# Altium PCB high-spped-thermocouple-logger.PcbDoc (part 3 of 3)
Units mm, origin at the board's own origin, x right, y up, seen from the top; angles counter-clockwise.
Board outline 200 x 200 mm, 4 copper layers (Top Layer, GND Layer, VCC Layer, Bottom Layer), stack 1.55 mm thick; 351 components, 201 nets, 1016 pads, 288 vias.
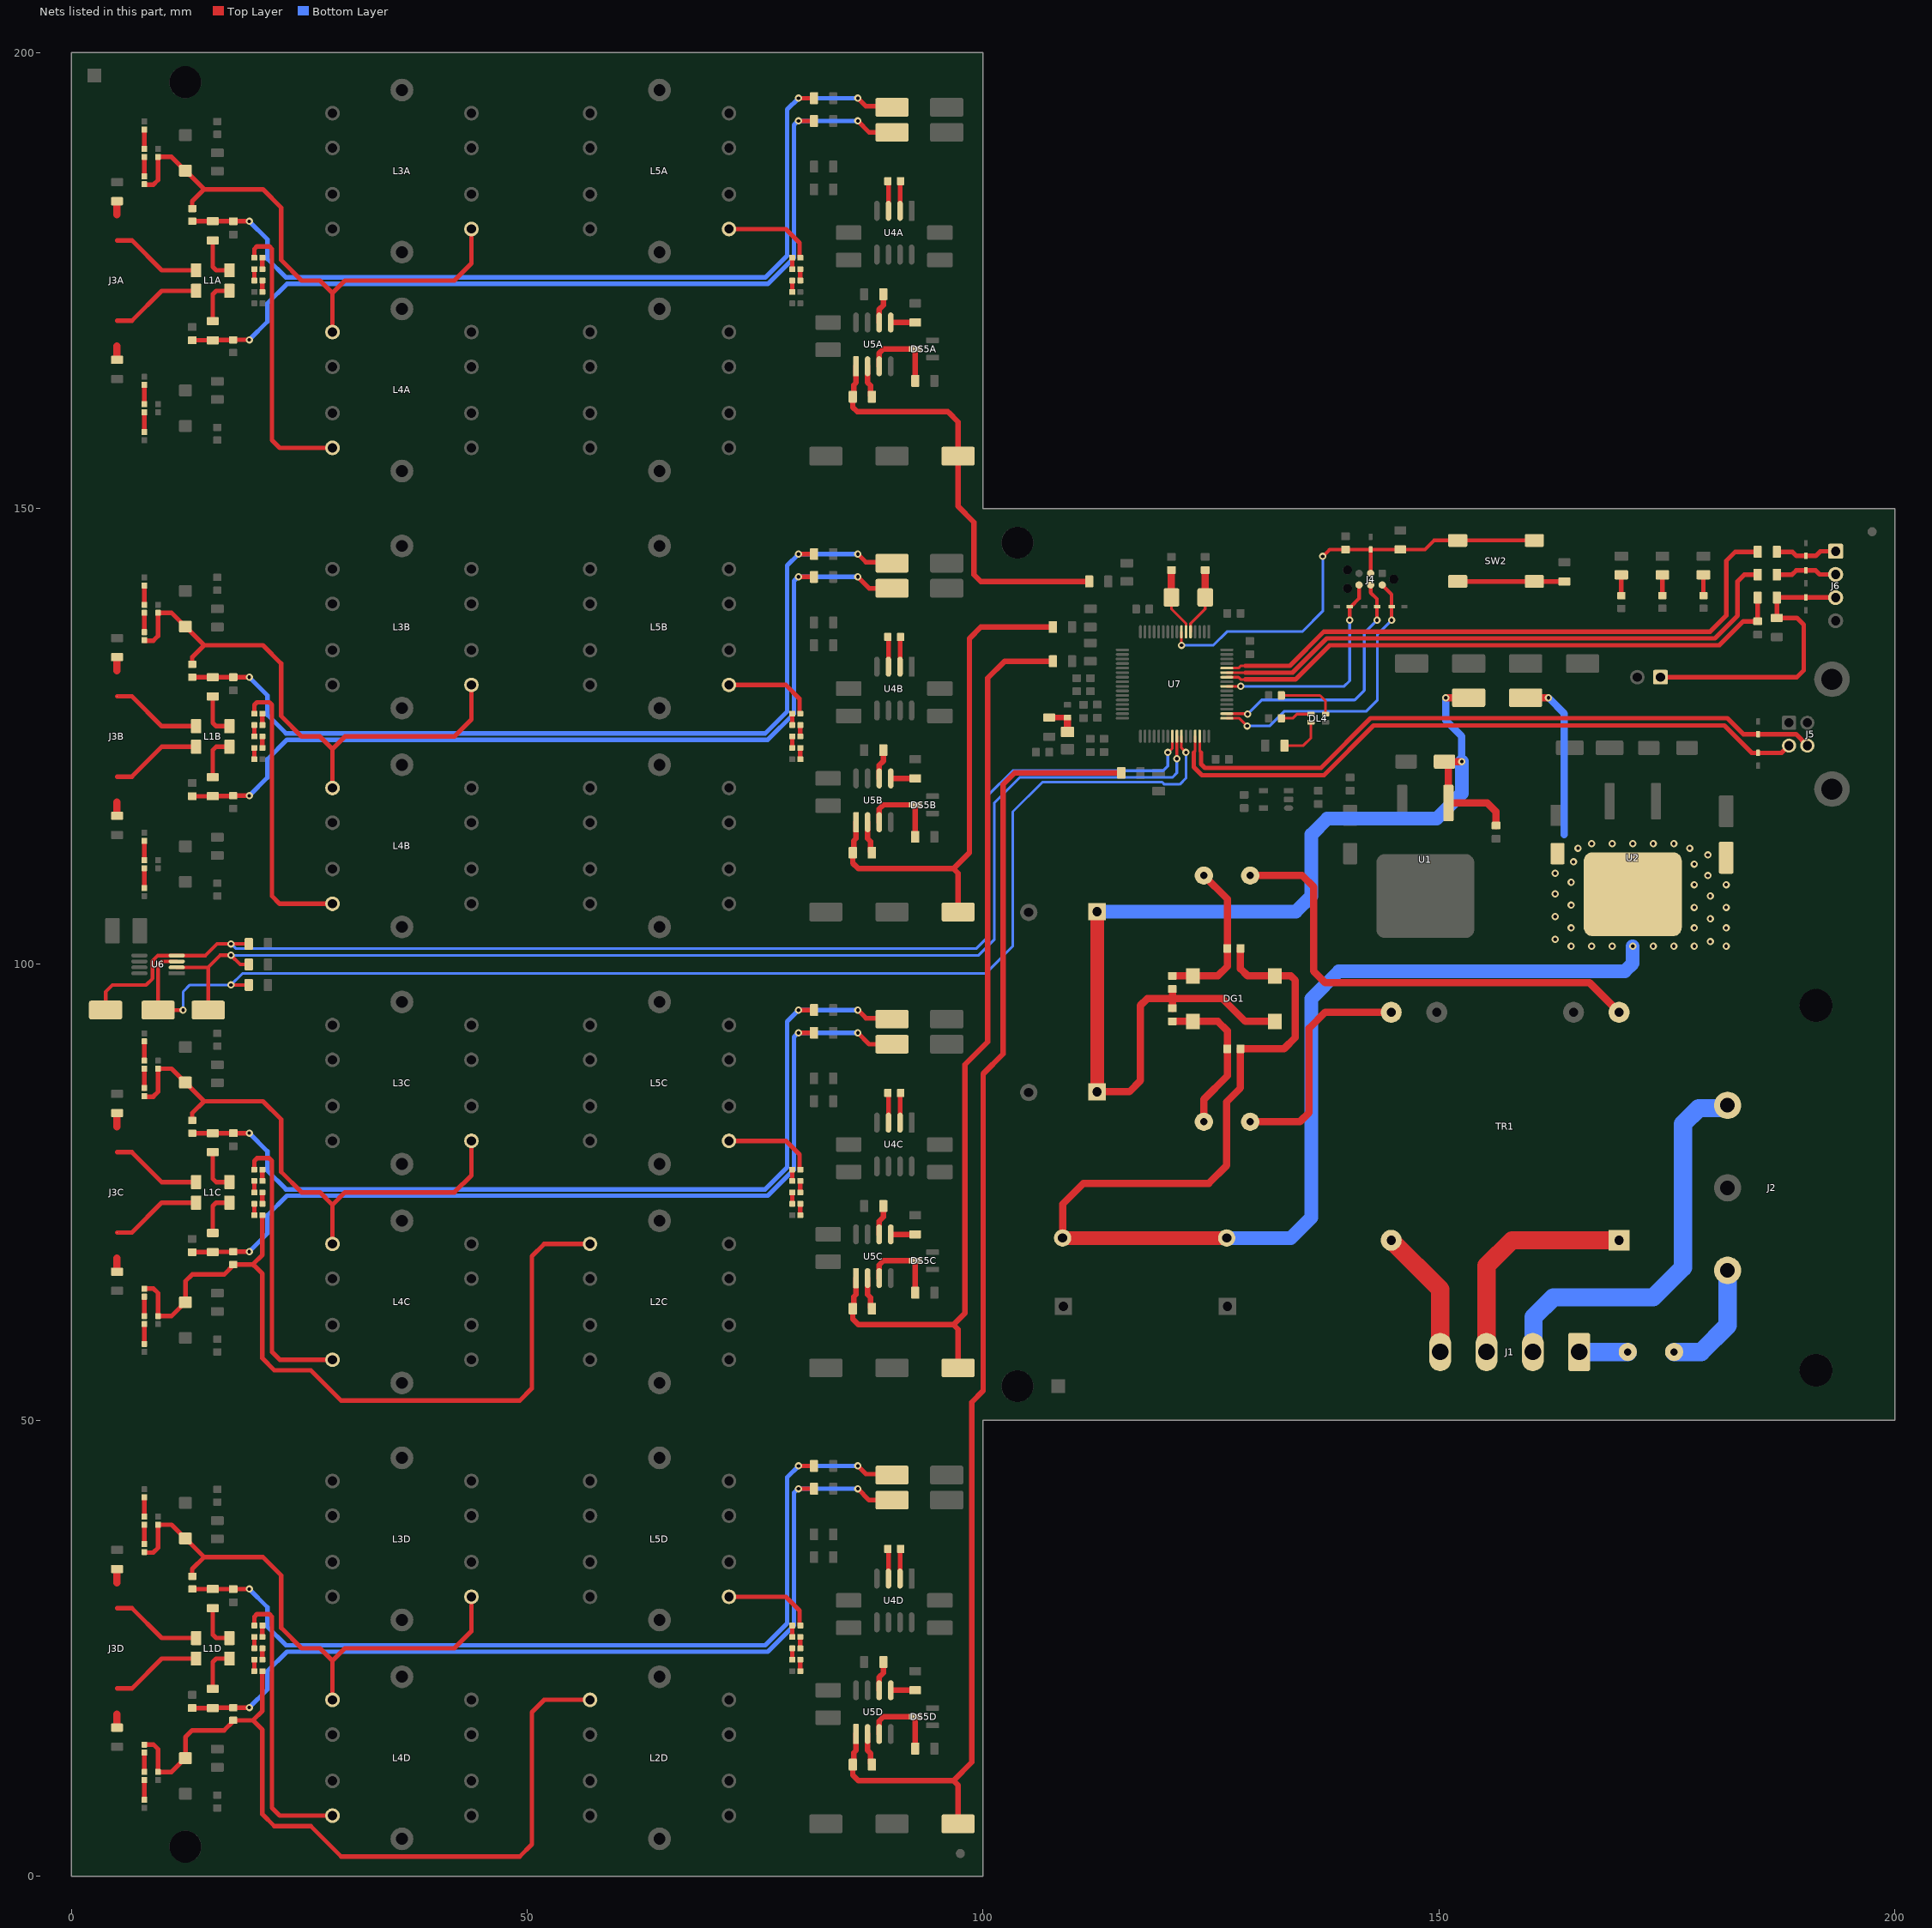
[diagram p5: the nets of this part, all layers, seen from the top]

## Via types
v1: diameter 0.8, hole 0.4, Top Layer to Bottom Layer, 261 vias
v2: diameter 1.1, hole 0.7, Top Layer to Bottom Layer, 27 vias

## Nets (pads, with @x,y where several pads share a name; then routed paths per layer and width w, separated by ;. In a path a pad name is that pad's centre, name@x,y a point inside that pad or via, vN(x,y) a via of type N, cw(c..) or ccw(c..) an arc to the next point about the centre after c; other vN are vias at no path point) (continued)
NetCK32C_2: CK32C.2 CK33C.1 | length 1.3
  Top Layer w0.5: CK32C.2@20.06,122.5 CK33C.1@20.06,123.75
NetCK32D_2: CK32D.2 CK33D.1 | length 1.3
  Top Layer w0.5: CK32D.2@79.94,122.5 CK33D.1@79.94,123.75
NetCK32E_1: CK32E.1 CK37E.1 CK39E.1 CVAR1E.1 L2C.1 R10C.2 | length 88.4
  Top Layer w0.5: CK37E.1@8,64.44 9.01,64.44 9.5,63.95 CK39E.1@9.5,61.44 10.99,61.44 CVAR1E.1@12.5,62.95 12.5,65.25 13.25,66 16.75,66 17.75,67 R10C.2@17.75,67.1 19.9,67.1 ; CK32E.1@20.94,72.5 20.94,68.14 19.9,67.1 ; L2C.1@56.88,69.35 51.85,69.35 50.5,68 50.5,53.5 49.162,52.162 29.588,52.162 26.25,55.5 22.25,55.5 20.94,56.81 20.94,66.06 20,67 19.9,67.1
NetCK32E_2: CK32E.2 CK33E.1 | length 1.3
  Top Layer w0.5: CK32E.2@20.06,72.5 CK33E.1@20.06,73.75
NetCK32F_2: CK32F.2 CK33F.1 | length 1.3
  Top Layer w0.5: CK32F.2@79.94,72.5 CK33F.1@79.94,73.75
NetCK32G_1: CK32G.1 CK37G.1 CK39G.1 CVAR1G.1 L2D.1 R10D.2 | length 88.4
  Top Layer w0.5: CK37G.1@8,14.44 9.01,14.44 9.5,13.95 CK39G.1@9.5,11.44 10.99,11.44 CVAR1G.1@12.5,12.95 12.5,15.25 13.25,16 16.75,16 17.75,17 R10D.2@17.75,17.1 19.9,17.1 ; CK32G.1@20.94,22.5 20.94,18.14 19.9,17.1 ; L2D.1@56.88,19.35 51.85,19.35 50.5,18 50.5,3.5 49.162,2.162 29.588,2.162 26.25,5.5 22.25,5.5 20.94,6.81 20.94,16.06 20,17 19.9,17.1
NetCK32G_2: CK32G.2 CK33G.1 | length 1.3
  Top Layer w0.5: CK32G.2@20.06,22.5 CK33G.1@20.06,23.75
NetCK32H_2: CK32H.2 CK33H.1 | length 1.3
  Top Layer w0.5: CK32H.2@79.94,22.5 CK33H.1@79.94,23.75
NetCK33A_2: CK33A.2 CK34A.1 | length 1.3
  Top Layer w0.5: CK33A.2@20.94,173.75 CK34A.1@20.94,175
NetCK33B_2: CK33B.2 CK34B.1 | length 1.3
  Top Layer w0.5: CK33B.2@79.06,173.75 CK34B.1@79.06,175
NetCK33C_2: CK33C.2 CK34C.1 | length 1.3
  Top Layer w0.5: CK33C.2@20.94,123.75 CK34C.1@20.94,125
NetCK33D_2: CK33D.2 CK34D.1 | length 1.3
  Top Layer w0.5: CK33D.2@79.06,123.75 CK34D.1@79.06,125
NetCK33E_2: CK33E.2 CK34E.1 | length 1.3
  Top Layer w0.5: CK33E.2@20.94,73.75 CK34E.1@20.94,75
NetCK33F_2: CK33F.2 CK34F.1 | length 1.3
  Top Layer w0.5: CK33F.2@79.06,73.75 CK34F.1@79.06,75
NetCK33G_2: CK33G.2 CK34G.1 | length 1.3
  Top Layer w0.5: CK33G.2@20.94,23.75 CK34G.1@20.94,25
NetCK33H_2: CK33H.2 CK34H.1 | length 1.3
  Top Layer w0.5: CK33H.2@79.06,23.75 CK34H.1@79.06,25
NetCK34A_2: CK34A.2 CK35A.1 | length 1.3
  Top Layer w0.5: CK34A.2@20.06,175 CK35A.1@20.06,176.25
NetCK34B_2: CK34B.2 CK35B.1 | length 1.2
  Top Layer w0.5: CK34B.2@79.94,175 CK35B.1@79.94,176.25
NetCK34C_2: CK34C.2 CK35C.1 | length 1.3
  Top Layer w0.5: CK34C.2@20.06,125 CK35C.1@20.06,126.25
NetCK34D_2: CK34D.2 CK35D.1 | length 1.2
  Top Layer w0.5: CK34D.2@79.94,125 CK35D.1@79.94,126.25
NetCK34E_2: CK34E.2 CK35E.1 | length 1.3
  Top Layer w0.5: CK34E.2@20.06,75 CK35E.1@20.06,76.25
NetCK34F_2: CK34F.2 CK35F.1 | length 1.2
  Top Layer w0.5: CK34F.2@79.94,75 CK35F.1@79.94,76.25
NetCK34G_2: CK34G.2 CK35G.1 | length 1.3
  Top Layer w0.5: CK34G.2@20.06,25 CK35G.1@20.06,26.25
NetCK34H_2: CK34H.2 CK35H.1 | length 1.2
  Top Layer w0.5: CK34H.2@79.94,25 CK35H.1@79.94,26.25
NetCK35A_2: CK35A.2 CK36A.1 | length 1.3
  Top Layer w0.5: CK35A.2@20.94,176.25 CK36A.1@20.94,177.5
NetCK35B_2: CK35B.2 CK36B.1 | length 1.3
  Top Layer w0.5: CK35B.2@79.06,176.25 CK36B.1@79.06,177.5
NetCK35C_2: CK35C.2 CK36C.1 | length 1.3
  Top Layer w0.5: CK35C.2@20.94,126.25 CK36C.1@20.94,127.5
NetCK35D_2: CK35D.2 CK36D.1 | length 1.3
  Top Layer w0.5: CK35D.2@79.06,126.25 CK36D.1@79.06,127.5
NetCK35E_2: CK35E.2 CK36E.1 | length 1.3
  Top Layer w0.5: CK35E.2@20.94,76.25 CK36E.1@20.94,77.5
NetCK35F_2: CK35F.2 CK36F.1 | length 1.3
  Top Layer w0.5: CK35F.2@79.06,76.25 CK36F.1@79.06,77.5
NetCK35G_2: CK35G.2 CK36G.1 | length 1.3
  Top Layer w0.5: CK35G.2@20.94,26.25 CK36G.1@20.94,27.5
NetCK35H_2: CK35H.2 CK36H.1 | length 1.3
  Top Layer w0.5: CK35H.2@79.06,26.25 CK36H.1@79.06,27.5
NetCK36A_2: CK36A.2 L4A.2 | length 31.1
  Top Layer w0.5: CK36A.2@20.06,177.5 20.06,178.457 20.353,178.75 21.707,178.75 22,178.457 22,157.5 22.85,156.65 L4A.2@28.63,156.65
NetCK36B_2: CK36B.2 L5A.1 | length 10.1
  Top Layer w0.5: L5A.1@72.12,180.65 78.35,180.65 79.86,179.14 79.86,177.56 79.92,177.5 CK36B.2@79.94,177.5
NetCK36C_2: CK36C.2 L4B.2 | length 31.1
  Top Layer w0.5: CK36C.2@20.06,127.5 20.06,128.457 20.353,128.75 21.707,128.75 22,128.457 22,107.5 22.85,106.65 L4B.2@28.63,106.65
NetCK36D_2: CK36D.2 L5B.1 | length 10.1
  Top Layer w0.5: L5B.1@72.12,130.65 78.35,130.65 79.86,129.14 79.86,127.56 79.92,127.5 CK36D.2@79.94,127.5
NetCK36E_2: CK36E.2 L4C.2 | length 31.1
  Top Layer w0.5: CK36E.2@20.06,77.5 20.06,78.457 20.353,78.75 21.707,78.75 22,78.457 22,57.5 22.85,56.65 L4C.2@28.63,56.65
NetCK36F_2: CK36F.2 L5C.1 | length 10.1
  Top Layer w0.5: L5C.1@72.12,80.65 78.35,80.65 79.86,79.14 79.86,77.56 79.92,77.5 CK36F.2@79.94,77.5
NetCK36G_2: CK36G.2 L4D.2 | length 31.1
  Top Layer w0.5: CK36G.2@20.06,27.5 20.06,28.457 20.353,28.75 21.707,28.75 22,28.457 22,7.5 22.85,6.65 L4D.2@28.63,6.65
NetCK36H_2: CK36H.2 L5D.1 | length 10.1
  Top Layer w0.5: L5D.1@72.12,30.65 78.35,30.65 79.86,29.14 79.86,27.56 79.92,27.5 CK36H.2@79.94,27.5
NetCK37A_2: CK37A.2 CK38A.1 | length 2.1
  Top Layer w0.5: CK38A.1@8,161.44 CK37A.2@8,163.56
NetCK37B_1: CK37B.1 CK39B.1 CVAR1B.1 L3A.1 L4A.1 R11A.2 | length 60.2
  Top Layer w0.5: CK37B.1@8,185.5 8.975,185.5 9.5,186.025 CK39B.1@9.5,188.56 10.99,188.56 CVAR1B.1@12.5,187.05 12.55,187.05 12.95,186.65 12.95,186.6 14.55,185 ; R11A.2@13.25,182.9 13.25,183.7 14.55,185 ; L4A.1@28.63,169.35 28.63,173.63 ; L3A.1@43.87,180.65 43.87,176.87 42,175 30,175 28.63,173.63 ; 14.55,185 21,185 23,183 23,177.25 25.25,175 27.26,175 28.63,173.63
NetCK37B_2: CK37B.2 CK38B.1 | length 2.2
  Top Layer w0.5: CK37B.2@8,186.38 CK38B.1@8,188.56
NetCK37C_2: CK37C.2 CK38C.1 | length 2.1
  Top Layer w0.5: CK38C.1@8,111.44 CK37C.2@8,113.56
NetCK37D_1: CK37D.1 CK39D.1 CVAR1D.1 L3B.1 L4B.1 R11B.2 | length 60.2
  Top Layer w0.5: CK37D.1@8,135.5 8.975,135.5 9.5,136.025 CK39D.1@9.5,138.56 10.99,138.56 CVAR1D.1@12.5,137.05 12.55,137.05 12.95,136.65 12.95,136.6 14.55,135 ; R11B.2@13.25,132.9 13.25,133.7 14.55,135 ; L4B.1@28.63,119.35 28.63,123.63 ; L3B.1@43.87,130.65 43.87,126.87 42,125 30,125 28.63,123.63 ; 14.55,135 21,135 23,133 23,127.25 25.25,125 27.26,125 28.63,123.63
NetCK37D_2: CK37D.2 CK38D.1 | length 2.2
  Top Layer w0.5: CK37D.2@8,136.38 CK38D.1@8,138.56
NetCK37E_2: CK37E.2 CK38E.1 | length 2.1
  Top Layer w0.5: CK38E.1@8,61.44 CK37E.2@8,63.56
NetCK37F_1: CK37F.1 CK39F.1 CVAR1F.1 L3C.1 L4C.1 R11C.2 | length 60.2
  Top Layer w0.5: CK37F.1@8,85.5 8.975,85.5 9.5,86.025 CK39F.1@9.5,88.56 10.99,88.56 CVAR1F.1@12.5,87.05 12.55,87.05 12.95,86.65 12.95,86.6 14.55,85 ; R11C.2@13.25,82.9 13.25,83.7 14.55,85 ; L4C.1@28.63,69.35 28.63,73.63 ; L3C.1@43.87,80.65 43.87,76.87 42,75 30,75 28.63,73.63 ; 14.55,85 21,85 23,83 23,77.25 25.25,75 27.26,75 28.63,73.63
NetCK37F_2: CK37F.2 CK38F.1 | length 2.2
  Top Layer w0.5: CK37F.2@8,86.38 CK38F.1@8,88.56
NetCK37G_2: CK37G.2 CK38G.1 | length 2.1
  Top Layer w0.5: CK38G.1@8,11.44 CK37G.2@8,13.56
NetCK37H_1: CK37H.1 CK39H.1 CVAR1H.1 L3D.1 L4D.1 R11D.2 | length 60.2
  Top Layer w0.5: CK37H.1@8,35.5 8.975,35.5 9.5,36.025 CK39H.1@9.5,38.56 10.99,38.56 CVAR1H.1@12.5,37.05 12.55,37.05 12.95,36.65 12.95,36.6 14.55,35 ; R11D.2@13.25,32.9 13.25,33.7 14.55,35 ; L4D.1@28.63,19.35 28.63,23.63 ; L3D.1@43.87,30.65 43.87,26.87 42,25 30,25 28.63,23.63 ; 14.55,35 21,35 23,33 23,27.25 25.25,25 27.26,25 28.63,23.63
NetCK37H_2: CK37H.2 CK38H.1 | length 2.2
  Top Layer w0.5: CK37H.2@8,36.38 CK38H.1@8,38.56
NetCK38A_2: CK38A.2 CK40A.1 | length 2.2
  Top Layer w0.5: CK40A.1@8,158.38 CK38A.2@8,160.56
NetCK38B_2: CK38B.2 CK40B.1 | length 2.1
  Top Layer w0.5: CK38B.2@8,189.44 CK40B.1@8,191.56
NetCK38C_2: CK38C.2 CK40C.1 | length 2.2
  Top Layer w0.5: CK40C.1@8,108.38 CK38C.2@8,110.56
NetCK38D_2: CK38D.2 CK40D.1 | length 2.1
  Top Layer w0.5: CK38D.2@8,139.44 CK40D.1@8,141.56
NetCK38E_2: CK38E.2 CK40E.1 | length 2.2
  Top Layer w0.5: CK40E.1@8,58.38 CK38E.2@8,60.56
NetCK38F_2: CK38F.2 CK40F.1 | length 2.1
  Top Layer w0.5: CK38F.2@8,89.44 CK40F.1@8,91.56
NetCK38G_2: CK38G.2 CK40G.1 | length 2.2
  Top Layer w0.5: CK40G.1@8,8.38 CK38G.2@8,10.56
NetCK38H_2: CK38H.2 CK40H.1 | length 2.1
  Top Layer w0.5: CK38H.2@8,39.44 CK40H.1@8,41.56
NetCK41_1: CK41.1 R28.1 U7.58 | length 63.6
  Top Layer w0.3: U7.58@126.725,131.5 128,131.5 128.25,131.25 128.75,131.25
  Top Layer w0.5: 128.75,131.25 134.25,131.25 138,135 180.75,135 183.375,137.625 CK41.1@184.95,137.625 R28.1@184.95,140.23
NetDL1_2: DL1.2 R1.1 | length 2.3
  Top Layer w0.5: R1.1@174.5,140.454 DL1.2@174.5,142.725
NetDL2_2: DL2.2 R2.1 | length 2.3
  Top Layer w0.5: R2.1@179,140.454 DL2.2@179,142.725
NetDL3_2: DL3.2 R3.1 | length 2.3
  Top Layer w0.5: R3.1@170,140.45 DL3.2@170,142.725
NetDL4_1: DL4.1 R23.1 | length 5
  Top Layer w0.3: R23.1@133.05,124 135.125,124 135.95,124.825 DL4.1@135.95,126.55
NetDL4_2: DL4.2 R24.2 | length 3.4
  Top Layer w0.3: R24.2@132.7,127 133.95,127 134.4,127.45 DL4.2@135.95,127.45
NetDL4_3: DL4.3 R25.2 | length 6.5
  Top Layer w0.3: R25.2@132.7,129.5 136.939,129.5 137.55,128.889 DL4.3@137.55,127.45
NetDS5A_3: DS5A.3 R16A.1 U5A.3 | length 9.1
  Top Layer w0.6: U5A.3@88.595,165.6 88.595,167.045 89.05,167.5 DS5A.3@92.55,167.5 R16A.1@92.55,164
NetDS5B_3: DS5B.3 R16B.1 U5B.3 | length 9.1
  Top Layer w0.6: U5B.3@88.595,115.6 88.595,117.045 89.05,117.5 DS5B.3@92.55,117.5 R16B.1@92.55,114
NetDS5C_3: DS5C.3 R16C.1 U5C.3 | length 9.1
  Top Layer w0.6: U5C.3@88.595,65.6 88.595,67.045 89.05,67.5 DS5C.3@92.55,67.5 R16C.1@92.55,64
NetDS5D_3: DS5D.3 R16D.1 U5D.3 | length 9.1
  Top Layer w0.6: U5D.3@88.595,15.6 88.595,17.045 89.05,17.5 DS5D.3@92.55,17.5 R16D.1@92.55,14
NetDZ3_1: DZ3.1 J6.3 J7.1 R27.1 R28.2 | length 32.9
  Top Layer w0.5: J7.1@174.29,131.5 189.25,131.5 190,132.25 190,137.25 189.25,138 R27.1@187.05,138 R28.2@187.05,140.23 ; R28.2@187.07,140.25 DZ3.1@190.25,140.25 J6.3@193.48,140.25
NetDZ8_1: DZ8.1 J6.1 R29.2 | length 6.8
  Top Layer w0.5: R29.2@187.05,145.25 188.75,145.25 189.2,144.8 191.32,144.8 191.83,145.31 J6.1@193.5,145.31
NetDZ9_1: DZ9.1 J6.2 R30.2 | length 6.8
  Top Layer w0.5: R30.2@187.05,142.75 188.73,142.75 189.18,143.2 191.32,143.2 191.75,142.77 J6.2@193.5,142.77
NetF1_1: F1.1 TR1.6 | length 25.8
  Top Layer w0.8: F1.1@129.29,82.75 134.75,82.75 135.75,83.75 135.75,93 137.5,94.75 TR1.6@144.75,94.75
NetF2_1: F2.1 TR1.10 | length 52.1
  Top Layer w0.8: F2.1@129.29,109.75 135,109.75 136.25,108.5 136.25,99.25 137.5,98 166.5,98 TR1.10@169.75,94.75
NetF3_1: F3.1 J2.1 | length 13.1
  Bottom Layer w2: F3.1@175.79,57.5 178.75,57.5 181.65,60.4 J2.1@181.65,66.45
NetF3_2: F3.2 J1.1 | length 5.3
  Bottom Layer w2: J1.1@165.37,57.5 F3.2@170.71,57.5
NetFB1_2: FB1.2 FB2.1 R26.2 | length 3.5
  Top Layer w0.6: R26.2@107.25,127.075 FB2.1@109.25,127.075
  Top Layer w0.8: FB1.2@109.25,125.5 FB2.1@109.25,126.963
NetJ1_2: J1.2 J2.3 | length 44
  Bottom Layer w2: J1.2@160.29,57.5 160.367,57.577 160.367,61.323 162.544,63.5 173.5,63.5 176.75,66.75 176.75,82.5 178.5,84.25 181.35,84.25 J2.3@181.65,84.55
NetJ1_3: J1.3 TR1.1 | length 25.2
  Top Layer w2: J1.3@155.21,57.5 155.21,66.96 158,69.75 TR1.1@169.75,69.75
NetJ1_4: J1.4 TR1.5 | length 14.5
  Top Layer w2: TR1.5@144.75,69.75 150.13,64.37 J1.4@150.13,57.5
NetL1A_2: L1A.2 R4A.2 | length 4.9
  Top Layer w0.5: R4A.2@15.5,170.55 15.5,173.5 15.875,173.875 L1A.2@17.325,173.875
NetL1A_3: L1A.3 R7A.1 | length 4.9
  Top Layer w0.5: R7A.1@15.5,179.4 15.5,176.5 15.875,176.125 L1A.3@17.325,176.125
NetL1B_2: L1B.2 R4B.2 | length 4.9
  Top Layer w0.5: R4B.2@15.5,120.55 15.5,123.5 15.875,123.875 L1B.2@17.325,123.875
NetL1B_3: L1B.3 R7B.1 | length 4.9
  Top Layer w0.5: R7B.1@15.5,129.4 15.5,126.5 15.875,126.125 L1B.3@17.325,126.125
NetL1C_2: L1C.2 R4C.2 | length 4.9
  Top Layer w0.5: R4C.2@15.5,70.55 15.5,73.5 15.875,73.875 L1C.2@17.325,73.875
NetL1C_3: L1C.3 R7C.1 | length 4.9
  Top Layer w0.5: R7C.1@15.5,79.4 15.5,76.5 15.875,76.125 L1C.3@17.325,76.125
NetL1D_2: L1D.2 R4D.2 | length 4.9
  Top Layer w0.5: R4D.2@15.5,20.55 15.5,23.5 15.875,23.875 L1D.2@17.325,23.875
NetL1D_3: L1D.3 R7D.1 | length 4.9
  Top Layer w0.5: R7D.1@15.5,29.4 15.5,26.5 15.875,26.125 L1D.3@17.325,26.125
NetR14A_2: R14A.2 U5A.2 | length 3.5
  Top Layer w0.6: U5A.2@87.325,165.6 87.325,163.805 87.65,163.48 87.65,162.4 R14A.2@87.8,162.25
NetR14B_2: R14B.2 U5B.2 | length 3.5
  Top Layer w0.6: U5B.2@87.325,115.6 87.325,113.805 87.65,113.48 87.65,112.4 R14B.2@87.8,112.25
NetR14C_2: R14C.2 U5C.2 | length 3.5
  Top Layer w0.6: U5C.2@87.325,65.6 87.325,63.805 87.65,63.48 87.65,62.4 R14C.2@87.8,62.25
NetR14D_2: R14D.2 U5D.2 | length 3.5
  Top Layer w0.6: U5D.2@87.325,15.6 87.325,13.805 87.65,13.48 87.65,12.4 R14D.2@87.8,12.25
NetR17A_1: R17A.1 U4A.3 | length 3.1
  Top Layer w0.5: U4A.3@89.615,182.65 R17A.1@89.615,185.786
NetR17A_2: R17A.2 U4A.2 | length 3.2
  Top Layer w0.5: U4A.2@90.885,182.65 R17A.2@90.885,185.856
NetR17B_1: R17B.1 U4B.3 | length 3.1
  Top Layer w0.5: U4B.3@89.615,132.65 R17B.1@89.615,135.784
NetR17B_2: R17B.2 U4B.2 | length 3.1
  Top Layer w0.5: U4B.2@90.885,132.65 R17B.2@90.885,135.705
NetR17C_1: R17C.1 U4C.3 | length 3.2
  Top Layer w0.5: U4C.3@89.615,82.65 R17C.1@89.615,85.888
NetR17C_2: R17C.2 U4C.2 | length 3.3
  Top Layer w0.5: U4C.2@90.885,82.65 R17C.2@90.885,85.924
NetR17D_1: R17D.1 U4D.3 | length 3.2
  Top Layer w0.5: U4D.3@89.615,32.65 R17D.1@89.615,35.859
NetR17D_2: R17D.2 U4D.2 | length 3.3
  Top Layer w0.5: U4D.2@90.885,32.65 R17D.2@90.885,35.934
NetR18A_2: R18A.2 U5A.6 | length 3.3
  Top Layer w0.6: U5A.6@88.595,170.4 88.595,171.845 89.05,172.3 R18A.2@89.05,173.5
NetR18B_2: R18B.2 U5B.6 | length 3.3
  Top Layer w0.6: U5B.6@88.595,120.4 88.595,121.845 89.05,122.3 R18B.2@89.05,123.5
NetR18C_2: R18C.2 U5C.6 | length 3.3
  Top Layer w0.6: U5C.6@88.595,70.4 88.595,71.845 89.05,72.3 R18C.2@89.05,73.5
NetR18D_2: R18D.2 U5D.6 | length 3.3
  Top Layer w0.6: U5D.6@88.595,20.4 88.595,21.845 89.05,22.3 R18D.2@89.05,23.5
NetR29_1: R29.1 U7.60 | length 67
  Top Layer w0.3: U7.60@126.725,132.5 128,132.5 128.25,132.75 128.75,132.75
  Top Layer w0.5: 128.75,132.75 133.629,132.75 137.379,136.5 179.75,136.5 181.5,138.25 181.5,144.25 182.5,145.25 R29.1@184.95,145.25
NetR30_1: R30.1 U7.59 | length 64.9
  Top Layer w0.3: U7.59@126.725,132 128.75,132
  Top Layer w0.5: 128.75,132 133.939,132 137.689,135.75 180.25,135.75 182.75,138.25 182.75,142 183.5,142.75 R30.1@184.95,142.75
NetR31_1: R31.1 SW2.3 | length 11.7
  Top Layer w0.5: SW2.3@152.05,142 R31.1@163.75,142
NetR32A_1: R32A.1 U5A.5 | length 2.7
  Top Layer w0.6: U5A.5@89.865,170.4 R32A.1@92.55,170.4
NetR32B_1: R32B.1 U5B.5 | length 2.7
  Top Layer w0.6: U5B.5@89.865,120.4 R32B.1@92.55,120.4
NetR32C_1: R32C.1 U5C.5 | length 2.7
  Top Layer w0.6: U5C.5@89.865,70.4 R32C.1@92.55,70.4
NetR32D_1: R32D.1 U5D.5 | length 2.7
  Top Layer w0.6: U5D.5@89.865,20.4 R32D.1@92.55,20.4
NOISE_FILT_OUT+A: CK10A.1 R4A.1 R5A.1 R10A.1 TP7A.1 | length 98.6
  Top Layer w0.5: CK10A.1@13.25,168.45 R4A.1@15.5,168.45 15.525,168.475 17.725,168.475 R10A.1@17.75,168.5 v1(19.5,168.5) ; v1(79.75,192.5) R5A.1@81.45,192.5 ; v1(86.25,192.5) 87.5,191.25 TP7A.1@90,191.25
  Bottom Layer w0.5: v1(19.5,168.5) 21.5,170.5 21.5,172.5 23.636,174.636 76.386,174.636 79.25,177.5 79.25,192.057 79.693,192.5 v1(86.25,192.5)
NOISE_FILT_OUT+B: CK10B.1 R4B.1 R5B.1 R10B.1 TP7B.1 | length 98.6
  Top Layer w0.5: CK10B.1@13.25,118.45 R4B.1@15.5,118.45 15.525,118.475 17.725,118.475 R10B.1@17.75,118.5 v1(19.5,118.5) ; v1(79.75,142.5) R5B.1@81.45,142.5 ; v1(86.25,142.5) 87.5,141.25 TP7B.1@90,141.25
  Bottom Layer w0.5: v1(19.5,118.5) 21.5,120.5 21.5,122.5 23.636,124.636 76.386,124.636 79.25,127.5 79.25,142.057 79.693,142.5 v1(86.25,142.5)
NOISE_FILT_OUT+C: CK10C.1 R4C.1 R5C.1 R10C.1 TP7C.1 | length 98.6
  Top Layer w0.5: CK10C.1@13.25,68.45 R4C.1@15.5,68.45 15.525,68.475 17.725,68.475 R10C.1@17.75,68.5 v1(19.5,68.5) ; v1(79.75,92.5) R5C.1@81.45,92.5 ; v1(86.25,92.5) 87.5,91.25 TP7C.1@90,91.25
  Bottom Layer w0.5: v1(19.5,68.5) 21.5,70.5 21.5,72.5 23.636,74.636 76.386,74.636 79.25,77.5 79.25,92.057 79.693,92.5 v1(86.25,92.5)
NOISE_FILT_OUT+D: CK10D.1 R4D.1 R5D.1 R10D.1 TP7D.1 | length 98.6
  Top Layer w0.5: CK10D.1@13.25,18.45 R4D.1@15.5,18.45 15.525,18.475 17.725,18.475 R10D.1@17.75,18.5 v1(19.5,18.5) ; v1(79.75,42.5) R5D.1@81.45,42.5 ; v1(86.25,42.5) 87.5,41.25 TP7D.1@90,41.25
  Bottom Layer w0.5: v1(19.5,18.5) 21.5,20.5 21.5,22.5 23.636,24.636 76.386,24.636 79.25,27.5 79.25,42.057 79.693,42.5 v1(86.25,42.5)
NOISE_FILT_OUT-A: CK9A.1 R6A.1 R7A.2 R11A.1 TP9A.1 | length 100.1
  Top Layer w0.5: R11A.1@13.25,181.5 CK9A.1@17.75,181.5 v1(19.5,181.5) ; v1(79.75,195) R6A.1@81.45,195 ; v1(86.25,195) 87.142,194.108 TP9A.1@90,194.108
  Bottom Layer w0.5: v1(19.5,181.5) 21.5,179.5 21.5,177.37 23.534,175.336 76.096,175.336 78.5,177.74 78.5,193.75 v1(79.75,195) v1(86.25,195)
NOISE_FILT_OUT-B: CK9B.1 R6B.1 R7B.2 R11B.1 TP9B.1 | length 100.1
  Top Layer w0.5: R11B.1@13.25,131.5 CK9B.1@17.75,131.5 v1(19.5,131.5) ; v1(79.75,145) R6B.1@81.45,145 ; v1(86.25,145) 87.142,144.108 TP9B.1@90,144.108
  Bottom Layer w0.5: v1(19.5,131.5) 21.5,129.5 21.5,127.37 23.534,125.336 76.096,125.336 78.5,127.74 78.5,143.75 v1(79.75,145) v1(86.25,145)
NOISE_FILT_OUT-C: CK9C.1 R6C.1 R7C.2 R11C.1 TP9C.1 | length 100.1
  Top Layer w0.5: R11C.1@13.25,81.5 CK9C.1@17.75,81.5 v1(19.5,81.5) ; v1(79.75,95) R6C.1@81.45,95 ; v1(86.25,95) 87.142,94.108 TP9C.1@90,94.108
  Bottom Layer w0.5: v1(19.5,81.5) 21.5,79.5 21.5,77.37 23.534,75.336 76.096,75.336 78.5,77.74 78.5,93.75 v1(79.75,95) v1(86.25,95)
NOISE_FILT_OUT-D: CK9D.1 R6D.1 R7D.2 R11D.1 TP9D.1 | length 100.1
  Top Layer w0.5: R11D.1@13.25,31.5 CK9D.1@17.75,31.5 v1(19.5,31.5) ; v1(79.75,45) R6D.1@81.45,45 ; v1(86.25,45) 87.142,44.108 TP9D.1@90,44.108
  Bottom Layer w0.5: v1(19.5,31.5) 21.5,29.5 21.5,27.37 23.534,25.336 76.096,25.336 78.5,27.74 78.5,43.75 v1(79.75,45) v1(86.25,45)
NRST: CK18.2 DZ5.1 J4.3 R22.1 SW2.1 U7.7 | length 51.1
  Top Layer w0.3: v1(121.75,135) U7.7@121.75,136.475
  Top Layer w0.4: v1(137.25,144.75) 138,145.5 CK18.2@139.75,145.5 DZ5.1@142.5,145.5 ; J4.3@142.5,142.885 142.5,145.15 DZ5.1@142.5,145.5 ; SW2.1@160.45,146.5 SW2.1@152.05,146.5 149.45,146.5 148.45,145.5 R22.1@145.75,145.5 DZ5.1@142.5,145.5
  Bottom Layer w0.3: v1(121.75,135) 125.25,135 126.75,136.5 135,136.5 137.25,138.75 v1(137.25,144.75)
PWR_SEC+: CK1.2 CK2.1 DG1.4 F1.2 | length 17.5
  Top Layer w0.8: CK2.1@120.75,93.75 DG1.4@123,93.75 125.75,93.75 126.775,92.725 CK1.2@126.775,90.75 126.775,87.775 124.21,85.21 F1.2@124.21,82.75
PWR_SEC-: CK5.2 CK6.1 DG1.3 F2.2 | length 17.5
  Top Layer w0.8: CK6.1@120.75,98.75 122.25,98.75 DG1.3@123,98.75 125.75,98.75 126.775,99.775 CK5.2@126.775,101.75 126.775,107.185 F2.2@124.21,109.75
RECT+: CE1.1 CE2.1 CK2.2 CK3.1 CK6.2 DG1.1 DS1.1 TP1.1 U1.1 | length 128.2
  Top Layer w0.8: CE1.1@112.5,86.038 116.038,86.038 117.25,87.25 117.25,95.5 118,96.25 120.75,96.25 ; CK2.2@120.75,95.2 120.75,96.25 ; CK6.2@120.75,97.3 120.75,96.25 ; DG1.1@132,93.75 128.75,93.75 126.25,96.25 120.75,96.25 ; DS1.1@150.6,122.25 DS1.1@150.665,122.25 ; v1(150.75,129.25) TP1.1@153.25,129.25 ; v1(152.5,122.25) DS1.1@150.665,122.25 ; CK3.1@156.25,115.225 156.25,116.75 155.3,117.7 U1.1@151.04,117.7 151.04,121.875 DS1.1@150.665,122.25
  Top Layer w1.5: CE1.1@112.5,86.038 CE2.1@112.5,105.788
  Bottom Layer w0.8: v1(150.75,129.25) 150.75,126.75 152.5,125 v1(152.5,122.25)
  Bottom Layer w1.5: CE2.1@112.5,105.788 134.288,105.788 136,107.5 136,114.25 137.75,116 149.75,116 152.5,118.75 v1(152.5,122.25)
RECT-: CE3.2 CE4.2 CE5.2 CK1.1 CK5.1 DG1.2 DS4.2 TP5.1 U2.2 | length 167.6
  Top Layer w0.8: CE4.2@108.712,70 108.712,73.712 111,76 124.75,76 126.712,77.962 126.712,84.937 128.225,86.45 CK1.1@128.225,90.75 133,90.75 134.25,92 134.25,98.25 133.75,98.75 DG1.2@132,98.75 129,98.75 128.225,99.525 CK5.1@128.225,101.75 ; TP5.1@159.5,129.25 v1(162,129.25)
  Top Layer w1.5: CE4.2@108.712,70 CE3.2@126.712,70
  Bottom Layer w0.8: v1(162,129.25) 163.75,127.5 163.75,114.25
  Bottom Layer w1.5: CE3.2@126.712,70 133.75,70 136,72.25 136,96.25 139,99.25 170.371,99.25 171.25,100.129 v1(171.25,102)
  other v1: 164.5,102 166.75,102 169,102 173.5,102 175.75,102 178,102 181.5,102 179.75,102.5 162.75,102.75 164.5,104 178,104 181.5,104 179.75,105 162.75,105.25 178,106.25 181.5,106.25 164.5,106.5 179.75,107.5 162.75,107.75 178,108.75 181.5,108.75 164.5,109 179.5,109.75 162.75,110 178,111 164.75,111.25 179.5,112 165.25,112.75 177.5,112.75 166.75,113.25 169,113.25 171.25,113.25 173.5,113.25 175.75,113.25
SWCLK: DZ6.1 J4.4 U7.50 | length 29.4
  Top Layer w0.3: U7.50@126.725,127.5 128.95,127.5 v1(129,127.45)
  Top Layer w0.4: J4.4@142.5,141.615 142.5,140.775 143.2,140.075 ; v1(143.2,137.75) 143.2,140.075 ; DZ6.1@143.2,139.25 143.2,140.075
  Bottom Layer w0.3: v1(129,127.45) 130.55,129 140.75,129 141.8,130.05 141.8,136.35 v1(143.2,137.75)
SWDIO: DZ4.1 J4.2 U7.49 | length 31.7
  Top Layer w0.3: U7.49@126.725,127 128.1,127 v1(128.95,126.15)
  Top Layer w0.4: J4.2@143.77,141.615 144.8,140.585 v1(144.8,137.75)
  Bottom Layer w0.3: v1(128.95,126.15) 131.4,126.15 133,127.75 142,127.75 143.25,129 143.25,136.2 v1(144.8,137.75)
SWO: DZ7.1 J4.6 U7.56 | length 24.8
  Top Layer w0.3: U7.56@126.725,130.5 v1(128.25,130.5)
  Top Layer w0.4: v1(140.2,137.75) DZ7.1@140.2,139.25 140.35,139.25 141.23,140.13 J4.6@141.23,141.615
  Bottom Layer w0.3: v1(128.25,130.5) 139.6,130.5 140.2,131.1 v1(140.2,137.75)
TC+A: J3A.1 L1A.1 R33A.1 | length 11.5
  Top Layer w0.5: J3A.1@5,170.595 6.635,170.595 9.915,173.875 L1A.1@13.675,173.875
  Top Layer w0.8: R33A.1@5,166.3 5,167.8
TC+B: J3B.1 L1B.1 R33B.1 | length 11.5
  Top Layer w0.5: J3B.1@5,120.595 6.635,120.595 9.915,123.875 L1B.1@13.675,123.875
  Top Layer w0.8: R33B.1@5,116.3 5,117.8
TC+C: J3C.1 L1C.1 R33C.1 | length 11.5
  Top Layer w0.5: J3C.1@5,70.595 6.635,70.595 9.915,73.875 L1C.1@13.675,73.875
  Top Layer w0.8: R33C.1@5,66.3 5,67.8
TC+D: J3D.1 L1D.1 R33D.1 | length 11.5
  Top Layer w0.5: J3D.1@5,20.595 6.635,20.595 9.915,23.875 L1D.1@13.675,23.875
  Top Layer w0.8: R33D.1@5,16.3 5,17.8
TC-A: J3A.2 L1A.4 R34A.2 | length 11.5
  Top Layer w0.5: J3A.2@5,179.405 6.635,179.405 9.915,176.125 L1A.4@13.675,176.125
  Top Layer w0.8: 5,182.2 R34A.2@5,183.7
TC-B: J3B.2 L1B.4 R34B.2 | length 11.5
  Top Layer w0.5: J3B.2@5,129.405 6.635,129.405 9.915,126.125 L1B.4@13.675,126.125
  Top Layer w0.8: 5,132.2 R34B.2@5,133.7
TC-C: J3C.2 L1C.4 R34C.2 | length 11.5
  Top Layer w0.5: J3C.2@5,79.405 6.635,79.405 9.915,76.125 L1C.4@13.675,76.125
  Top Layer w0.8: 5,82.2 R34C.2@5,83.7
TC-D: J3D.2 L1D.4 R34D.2 | length 11.5
  Top Layer w0.5: J3D.2@5,29.405 6.635,29.405 9.915,26.125 L1D.4@13.675,26.125
  Top Layer w0.8: 5,32.2 R34D.2@5,33.7
TEMP_ALERT: R21.1 TP16.1 U6.3 U7.42 | length 147.2
  Top Layer w0.3: U7.42@121.75,125.025 121.75,123.75 v1(122.25,123.25)
  Top Layer w0.4: U6.3@11.545,100.325 9.825,100.325 9.5,100 TP16.1@9.5,95 v1(12.25,95) ; v1(17.5,97.75) R21.1@19.45,97.75 ; R21.1@19.7,98.2 R21.1@19.706,98.2
  Bottom Layer w0.3: v1(12.25,95) 12.25,97 13,97.75 v1(17.5,97.75) 18.75,99 100.25,99 103.25,102 103.25,116.75 106.5,120 117.939,120 119.625,120 119.875,119.75 121.561,119.75 122.25,120.439 v1(122.25,123.25)
TEMP_SCL: R20.1 TP14.1 U6.4 U7.40 | length 144.9
  Top Layer w0.3: v1(120.25,123.25) 120.324,123.25 120.75,123.676 U7.40@120.75,125.025
  Top Layer w0.4: TP14.1@3.75,95 3.75,97 4.5,97.75 8.186,97.75 8.9,98.464 8.9,100.4 9.475,100.975 U6.4@11.545,100.975 14.7,100.975 15.975,102.25 v1(17.5,102.25) R20.1@19.45,102.25
  Bottom Layer w0.3: v1(17.5,102.25) 18,101.75 99.273,101.75 100.5,102.977 100.5,118.5 103.25,121.25 119.75,121.25 120.25,121.75 v1(120.25,123.25)
TEMP_SDA: R19.1 TP15.1 U6.2 U7.41 | length 142.9
  Top Layer w0.3: v1(121.25,122.55) U7.41@121.25,125.025
  Top Layer w0.4: 14.975,96.05 15,96.025 TP15.1@15,95 15,99.65 14.975,99.675 ; R19.1@19.45,100 18.5,100 v1(17.5,101) 16.3,101 14.975,99.675 ; 14.975,99.675 U6.2@11.545,99.675 14.975,99.675
  Bottom Layer w0.3: v1(17.5,101) 99.5,101 101.235,102.735 101.235,117.735 104,120.5 120.75,120.5 121.25,121 v1(121.25,122.55)
UNFILT_AMPL_OUTA: R14A.1 R15A.2 TP11A.1 U5A.1 | length 47.3
  Top Layer w0.6: U5A.1@86.055,165.6 86.055,163.805 85.803,163.553 85.803,162.353 R14A.1@85.7,162.25 85.7,161.105 86.18,160.625 96.125,160.625 96.25,160.5 97.25,159.5 TP11A.1@97.25,155.75 97.25,154.725 97.25,150.25 99,148.5 99,142.75 99.75,142 R15A.2@111.625,142
UNFILT_AMPL_OUTB: R14B.1 R15B.2 TP11B.1 U5B.1 | length 56.5
  Top Layer w0.6: U5B.1@86.055,115.6 86.055,113.805 85.803,113.553 85.803,112.353 R14B.1@85.7,112.25 85.7,111.105 86.305,110.5 96.75,110.5 ; TP11B.1@97.25,105.75 97.25,110 96.875,110.375 96.75,110.5 ; R15B.2@107.65,137 99.75,137 98.5,135.75 98.5,112.25 96.75,110.5
UNFILT_AMPL_OUTC: R14C.1 R15C.2 TP11C.1 U5C.1 | length 101.3
  Top Layer w0.6: U5C.1@86.055,65.6 86.055,63.805 85.803,63.553 85.803,62.353 R14C.1@85.7,62.25 85.7,61.105 86.305,60.5 96.75,60.5 ; TP11C.1@97.25,55.75 97.25,60 96.875,60.375 96.75,60.5 ; R15C.2@107.65,133.25 102.349,133.25 100.5,131.401 100.5,91.5 98,89 98,61.75 96.75,60.5
UNFILT_AMPL_OUTD: R14D.1 R15D.2 TP11D.1 U5D.1 | length 145.9
  Top Layer w0.6: U5D.1@86.055,15.6 86.055,13.805 85.803,13.552 85.803,12.352 R14D.1@85.7,12.25 85.7,11.105 86.305,10.5 96.75,10.5 ; TP11D.1@97.25,5.75 97.25,10 96.875,10.375 96.75,10.5 ; R15D.2@115.15,121 103.451,121 102.2,119.749 102.2,90.2 100,88 100,53.25 98.75,52 98.75,12.5 96.75,10.5
USB_D_N: DZ1.1 J5.2 U7.45 | length 72.9
  Top Layer w0.3: 123.103,123.25 123.25,123.397 U7.45@123.25,125.025
  Top Layer w0.5: 123.103,123.25 123.103,121.649 124.002,120.75 137.381,120.75 142.831,126.2 181.3,126.2 184.3,123.2 DZ1.1@185,123.2 187.577,123.2 188.377,124 J5.2@188.395,124
USB_D_P: DZ2.1 J5.3 U7.46 | length 73.3
  Top Layer w0.3: U7.46@123.75,125.025 123.75,123.403 123.9,123.253 123.9,123.25
  Top Layer w0.5: 123.9,123.25 123.9,121.979 124.332,121.547 137.047,121.547 142.5,127 181.631,127 183.381,125.25 DZ2.1@185,125.25 189.145,125.25 J5.3@190.395,124
XTAL1: CK19.1 U7.5 X1.2 | length 7.4
  Top Layer w0.3: U7.5@122.75,136.475 122.75,137.376 124.35,138.976 X1.2@124.35,140.25
  Top Layer w0.8: X1.2@124.35,140.25 CK19.1@124.35,143.25
XTAL2: CK20.1 U7.6 X1.1 | length 7.4
  Top Layer w0.3: X1.1@120.65,140.25 120.65,138.976 122.25,137.376 U7.6@122.25,136.475
  Top Layer w0.8: X1.1@120.65,140.25 CK20.1@120.65,143.25
pads on no net: FM1. FM2. FM3. FM4. H1.# H2.# H3.# H4.# J2.# J3A. J3B. J3C. J3D. J4.# L2A.# L2B.# L2C.# L2D.# L3A.# L3B.# L3C.# L3D.# L4A.# L4B.# L4C.# L4D.# L5A.# L5B.# L5C.# L5D.# U1. U2. U3.4 U6.1 U6.7 U6.8 U7.2 U7.3 U7.4 U7.8 U7.9 U7.10 U7.11 U7.13 U7.14 U7.17 U7.19 U7.21 U7.22 U7.23 U7.24 U7.26 U7.30 U7.33 U7.34 U7.35 U7.36 U7.38 U7.39 U7.43 U7.44 U7.51 U7.55 U7.57 U7.61 U7.62

## Polygon pours and split planes (outlines as drawn)
GND on GND Layer "GND_MCU_GND" (solid, remove dead copper, pour order 0): 171.957,92.707 177.659,98.409 cw(c184.518,91.55) 184.518,101.25 197.5,101.25 ccw(c197.5,103.75) 200,103.75 200,147.5 ccw(c197.5,147.5) 197.5,150 100,150 100,50 133.25,50 ccw(c133.25,52.5) 135.75,52.5 135.75,85.75 cw(c141.25,85.75) 141.25,91.25 168.25,91.25 ccw(c168.345,96.453)
GND on GND Layer "GND_FILTER3_GND" (hatched 45Degree grid 3 track 1, remove dead copper, pour order 10): 0,100.5 100,100.5 100,49.5 0,49.5
GND on GND Layer "GND_FILTER4_GND" (hatched 45Degree grid 3 track 1, remove dead copper, pour order 11): 0,50.5 100,50.5 100,0 0,0
GND on GND Layer "GND_FILTER2_GND" (hatched 45Degree grid 3 track 1, remove dead copper, pour order 7): 0,150.5 100,150.5 100,99.5 0,99.5
GND on GND Layer "GND_FILTER1_GND" (hatched 45Degree grid 3 track 1, remove dead copper, pour order 9): 0,200 100,200 100,149.5 0,149.5
RECT- on Top Layer "RECT-_7905_TOP" (solid, remove dead copper, pour order 17): 182,114.25 cw(c181.625,112.875) 183,113.25 183,102 cw(c181.625,102.375) 182,101 162.5,101 cw(c162.875,102.375) 161.5,102 161.5,113.25 cw(c162.875,112.875) 162.5,114.25
GND on Top Layer "GND_7805_TOP" (solid, remove dead copper, pour order 13): 157.25,114.25 cw(c156.875,112.875) 158.25,113.25 158.25,102 cw(c156.875,102.375) 157.25,101 139.75,101 cw(c140.125,102.375) 138.75,102 138.75,113.25 cw(c140.125,112.875) 139.75,114.25
+3.3V on VCC Layer "+3.3V_MCU_VCC" (solid, remove dead copper, pour order 4): 200,127.5 200,134.274 200,147.5 ccw(c197.5,147.5) 197.5,150 102.5,150 ccw(c102.5,147.5) 100,147.5 100,115 ccw(c102.5,115) 102.5,112.5 128.75,112.5 ccw(c128.75,115) 131.25,115 131.25,122.5 cw(c133.75,122.5) 133.75,125 197.5,125 ccw(c197.5,127.5)
GND on VCC Layer "GND_BALANCE_VCC" (solid, remove dead copper, pour order 12): 103.75,87.5 133.25,87.5 cw(c133.25,85) 135.75,85 135.75,52.5 cw(c133.25,52.5) 133.25,50 102.5,50 cw(c102.5,52.5) 100,52.5 100,83.75 cw(c103.75,83.75)
RECT- on Bottom Layer "RECT-_7905_BOT" (solid, remove dead copper, pour order 18): 182,114.25 cw(c181.625,112.875) 183,113.25 183,102 cw(c181.625,102.375) 182,101 162.5,101 cw(c162.875,102.375) 161.5,102 161.5,113.25 cw(c162.875,112.875) 162.5,114.25
GND on Bottom Layer "GND_7805_BOT" (solid, remove dead copper, pour order 5): 157.25,114.25 cw(c156.875,112.875) 158.25,113.25 158.25,102 cw(c156.875,102.375) 157.25,101 139.75,101 cw(c140.125,102.375) 138.75,102 138.75,113.25 cw(c140.125,112.875) 139.75,114.25

## Other copper
Top Layer:
  text "TOP" at 109.4,145.5 h1.3
Bottom Layer:
  text "BOT" at 113.235,145.5 h1.3

## Silkscreen, mask and mechanical layers (free items; w line width, h text height)
Top Silkscreen:
  text "Filters" at 89.918,197.5 h1
  text "Noise" at 80.251,196.5 h1
  text "Noise" at 87.751,195.5 h1
  text "1MHz" at 94.251,195.5 h1
  text "-" at 92.733,193.6 h0.8
  text "+" at 92.733,190.85 h0.8
  text "1MHz" at 80.751,189 h1
  text "Channel 1" at 42.336,174 h2
  text "Amplifier signals" at 82.169,157.917 h1
  text "INA_REF" at 80.151,153.417 h0.8
  text "INA_OUT" at 87.401,153.417 h0.8
  text "OUT" at 96.184,153.35 h0.8
  text "Filters" at 89.918,147.5 h1
  text "Noise" at 80.251,146.5 h1
  text "+3.3V" at 168.201,146.1 h0.8
  text "+5V" at 173.434,146.1 h0.8
  text "-5V" at 177.934,146.1 h0.8
  text "Noise" at 87.751,145.5 h1
  text "1MHz" at 94.251,145.5 h1
  text "-" at 92.733,143.6 h0.8
  text "+" at 92.733,140.85 h0.8
  text "RESET" at 154.384,139.45 h0.8
  text "1MHz" at 80.751,139 h1
  text "+5V" at 145.934,134.6 h0.8
  text "+3.3V" at 151.451,134.6 h0.8
  text "GND" at 158.434,134.6 h0.8
  text "-5V" at 164.684,134.6 h0.8
  text "Rectifier" at 142.485,128.75 h1
  text "+" at 152.983,127.1 h0.8
  text "-" at 159.233,127.1 h0.8
  text "Channel 2" at 42.003,124 h2
  text "Amplifier signals" at 82.169,107.917 h1
  text "INA_REF" at 80.151,103.417 h0.8
  text "INA_OUT" at 87.401,103.417 h0.8
  text "OUT" at 96.184,103.35 h0.8
  text "Filters" at 89.918,97.5 h1
  text "SCL" at 2.684,96.6 h0.8
  text "ALERT" at 7.634,96.6 h0.8
  text "SDA" at 13.934,96.6 h0.8
  text "Noise" at 80.251,96.5 h1
  text "Noise" at 87.751,95.5 h1
  text "1MHz" at 94.251,95.5 h1
  text "-" at 92.733,93.6 h0.8
  text "+" at 92.733,90.85 h0.8
  text "1MHz" at 80.751,89 h1
  text "Channel 3" at 42.003,74 h2
  text "Amplifier signals" at 82.169,57.917 h1
  text "INA_REF" at 80.151,53.417 h0.8
  text "INA_OUT" at 87.401,53.417 h0.8
  text "OUT" at 96.184,53.35 h0.8
  text "'.Project'-51'.Title''.Revision' / '.DrawnByID' .Date" at 108.438,51.821 h1
  text "Filters" at 89.918,47.5 h1
  text "Noise" at 80.251,46.5 h1
  text "Noise" at 87.751,45.5 h1
  text "1MHz" at 94.251,45.5 h1
  text "-" at 92.733,43.6 h0.8
  text "+" at 92.733,40.85 h0.8
  text "1MHz" at 80.751,39 h1
  text "Channel 4" at 42.003,24 h2
  text "Amplifier signals" at 82.169,7.917 h1
  text "INA_REF" at 80.151,3.417 h0.8
  text "INA_OUT" at 87.401,3.417 h0.8
  text "OUT" at 93.934,3.35 h0.8
Panel Outline:
  lines w0.2: 0,100 0,50 ; 0,50 0,0 100,0 100,50 200,50 200,150 100,150 100,200 0,200 0,150 0,50

## Text inside footprints (layer, text, board x,y; h text height)
CE1: Top Silkscreen "+" at 115.303,85.022 h1.3 r180
CE2: Top Silkscreen "+" at 115.303,104.772 h1.3 r180
CE3: Top Silkscreen "+" at 125.772,59.697 h1.3 r90
CE4: Top Silkscreen "+" at 107.772,59.697 h1.3 r90
CE5: Top Silkscreen "1" at 179.5,118.25 h0.8 r270; Top Silkscreen "+" at 182.7,118.75 h0.8 r270
CE6: Top Silkscreen "1" at 163.026,121.75 h0.8; Top Silkscreen "+" at 162.626,124.95 h0.8
J2: PCB Info "PCB EDGE" at 199.5,70 h1.5 r90
J3A: Top Silkscreen "-" at 8,182.18 h1 r270; Top Silkscreen "+" at 8,168.5 h1 r270
J3B: Top Silkscreen "-" at 8,132.18 h1 r270; Top Silkscreen "+" at 8,118.5 h1 r270
J3C: Top Silkscreen "-" at 8,82.18 h1 r270; Top Silkscreen "+" at 8,68.5 h1 r270
J3D: Top Silkscreen "-" at 8,32.18 h1 r270; Top Silkscreen "+" at 8,18.5 h1 r270
LB1: Top Silkscreen "2D" at 137.8,55.15 h1.5; Desg Top SMD "2D" at 138,55.25 h1.2
S1: Top Silkscreen "B" at 106.055,116.737 h1.6 r45